# Altium PCB UHF Transceiver PCB.PcbDoc (part 2 of 5)
Units mil, origin at the board's own origin, x right, y up, seen from the top; angles counter-clockwise.
Board outline 3450 x 3675 mil, 4 copper layers (Component Side, GND, +3V3, Solder Side), stack 61.849 mil thick; 297 components, 243 nets, 1002 pads, 800 vias.
Unrouted connection lines stored in the file: 203.
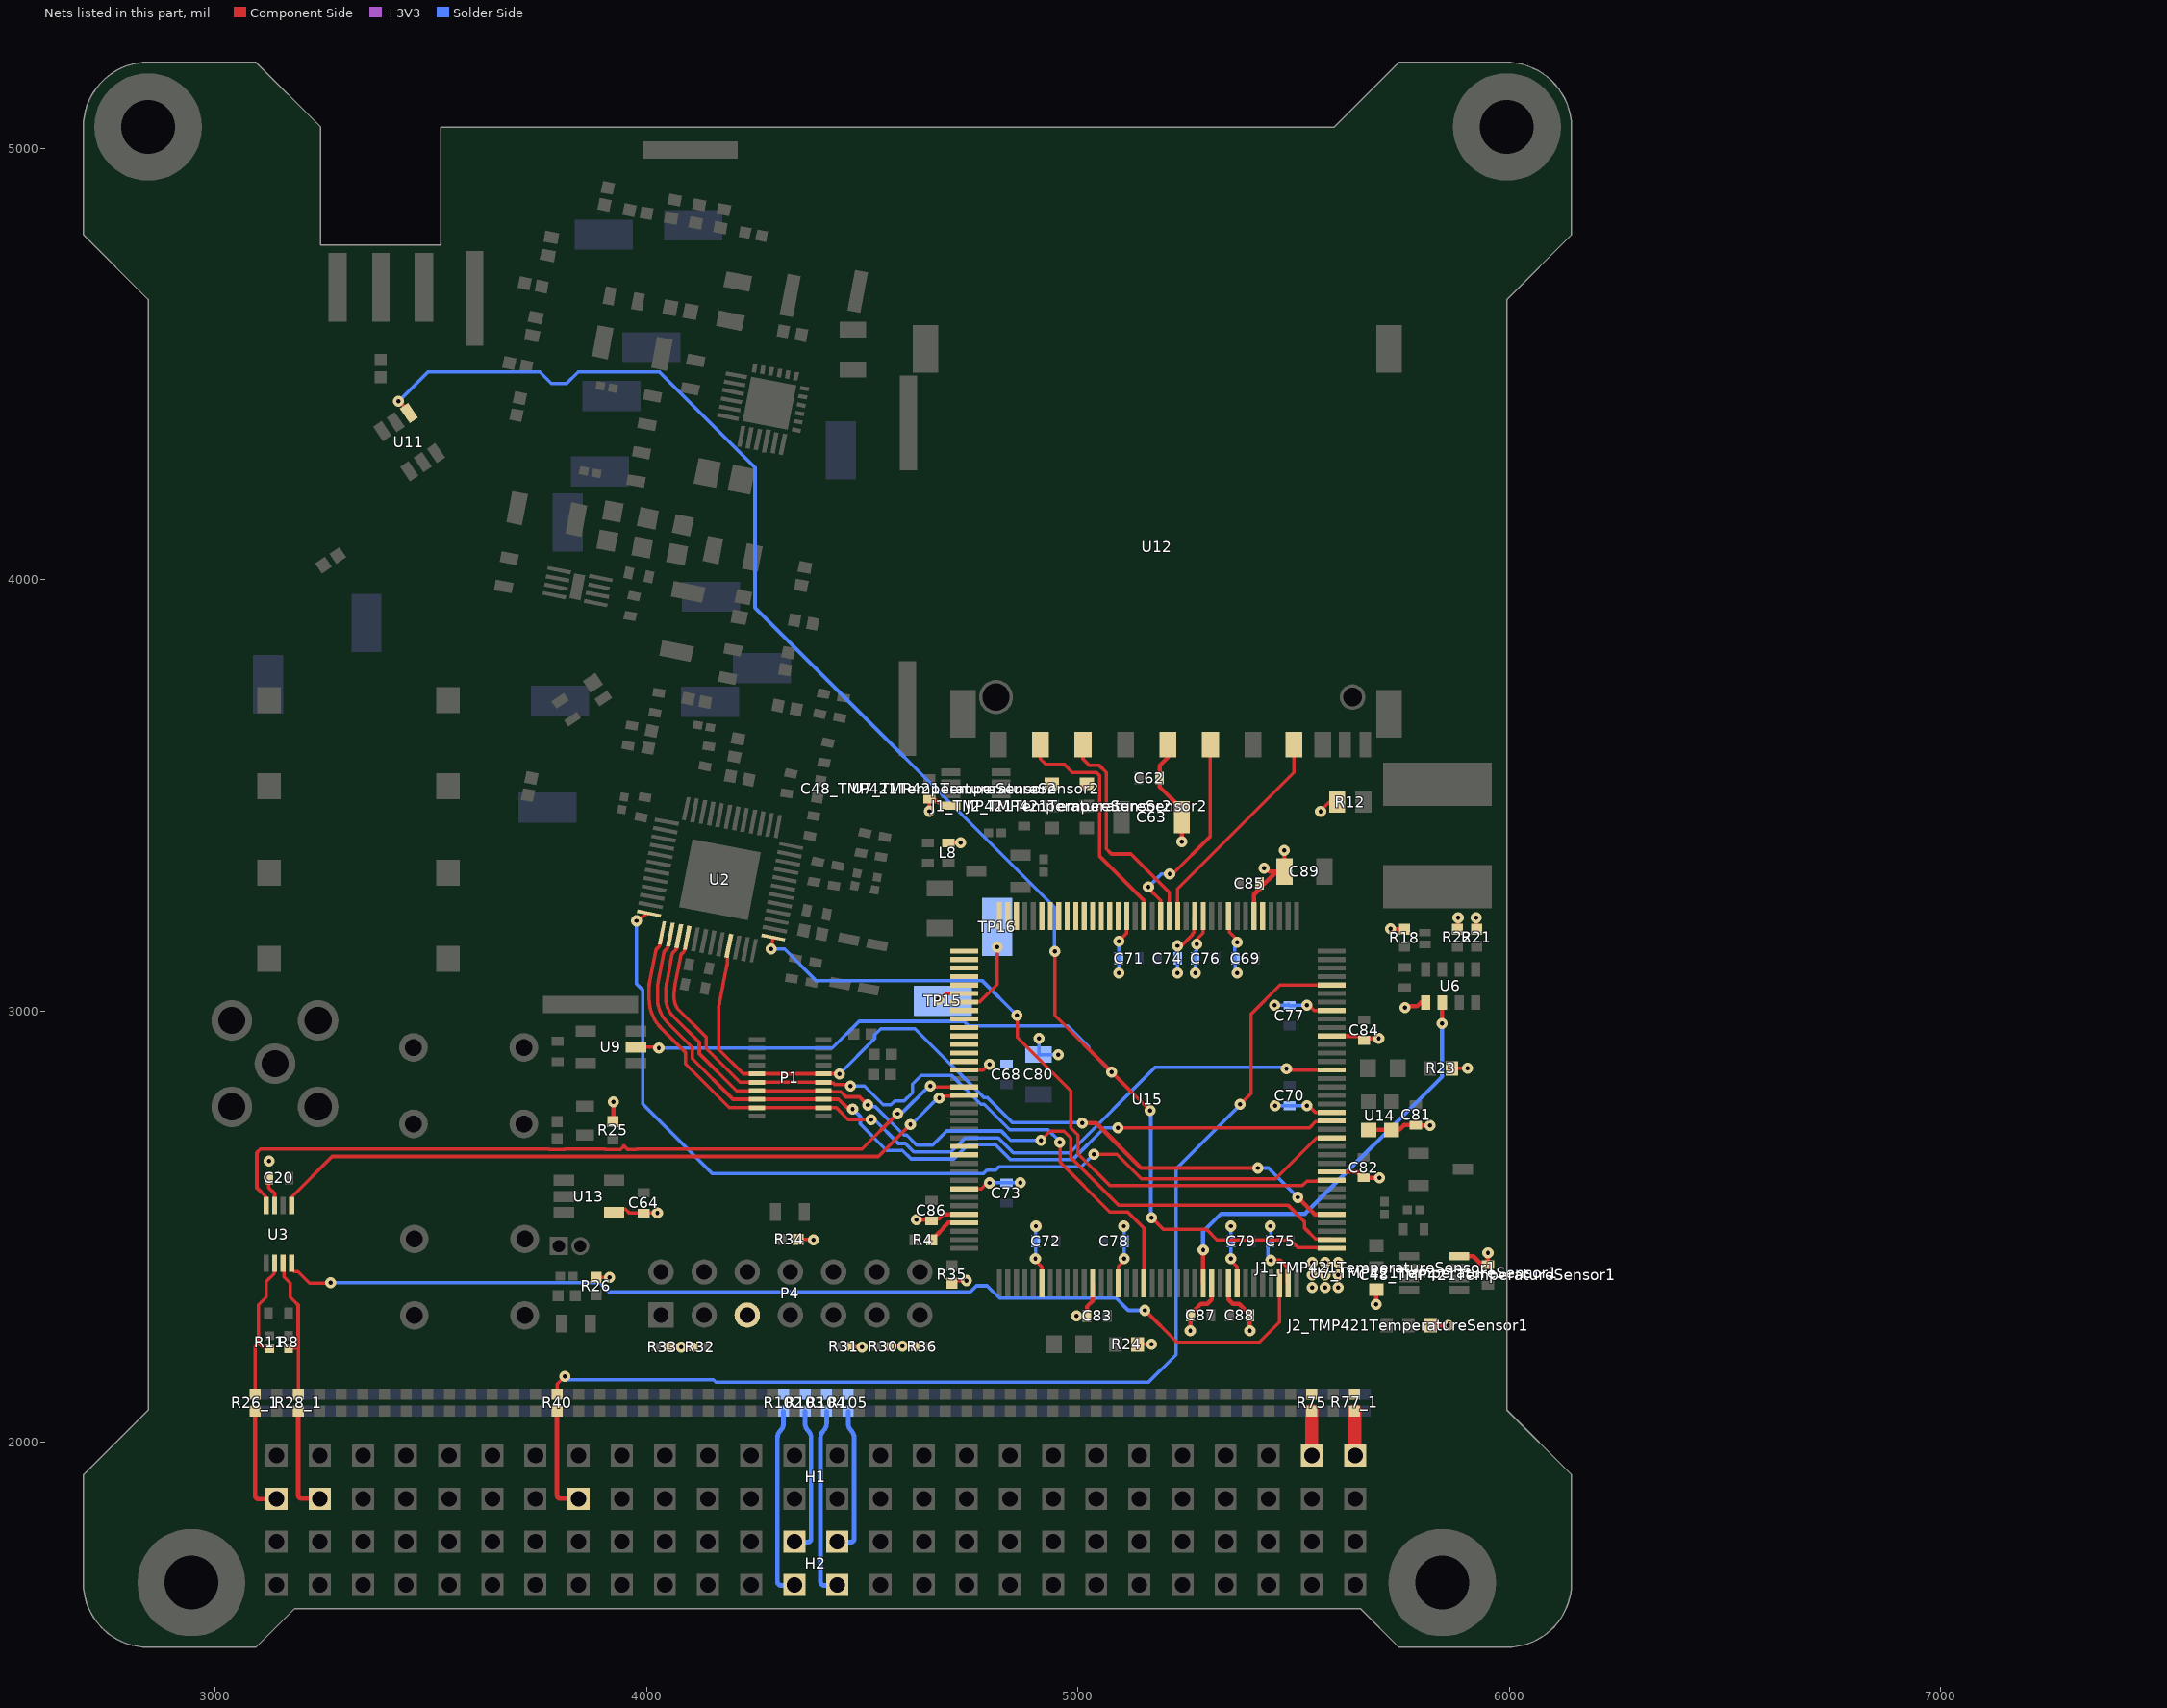
[diagram p4: the nets of this part, all layers, seen from the top]

## Part data (continued)
C65 C66 C67: library part PC-TDK-02601, "CAP CER 1UF 16V X5R 0603", Manufacturer Part Number=CGA3E1X5R1C105K080AC, Supplier Part Number 1=445-12457-1-ND, Temperature Coefficient=X5R, Tolerance=±10%, Voltage - Rated=16V, Applications=Automotive, Index=2601, LatestRevisionDate=2016-03-16, LatestRevisionNote=..., PackageDescription="Radial Cap, Thru-Hole; 2 Leads; 0.3 in Pin Spacing", PackageReference="0603 (1608 Metric)", Part Number=PC-TDK-02601, Published=2016-03-16, Publisher=AlbertaSat, Supplier 1=Digi-key, Supplier Link=http://www.digikey.ca/product-search/en?keywords=445-12457-1-ND
C68 C69 C70 C71 C72 C73 C74 C75 C76 C77 C78 C79 C82 C83 C84 C85 C86 C87 C88 C90: library part PC-TDK-02262, "CAP CER 0.1UF 50V X7R 0402", Manufacturer Part Number=CGA2B3X7R1H104M050BB, Supplier Part Number 1=445-12271-1-ND, Temperature Coefficient=X7R, Tolerance=±20%, Voltage - Rated=50V, Applications=Automotive, Index=2262, LatestRevisionDate=2016-03-16, LatestRevisionNote=..., PackageDescription="Radial Cap, Thru-Hole; 2 Leads; 0.3 in Pin Spacing", PackageReference="0402 (1005 Metric)", Part Number=PC-TDK-02262, Published=2016-03-16, Publisher=AlbertaSat, Supplier 1=Digi-key, Supplier Link=http://www.digikey.ca/product-search/en?keywords=445-12271-1-ND
C80 C89 C91: library part PC-TDK-02831, "CAP CER 4.7UF 25V X7R 0805", Manufacturer Part Number=CGA4J1X7R1E475M125AC, Supplier Part Number 1=445-12761-1-ND, Temperature Coefficient=X7R, Tolerance=±20%, Voltage - Rated=25V, Applications=Automotive, Index=2831, LatestRevisionDate=2016-03-16, LatestRevisionNote=..., PackageDescription="Radial Cap, Thru-Hole; 2 Leads; 0.3 in Pin Spacing", PackageReference="0805 (2012 Metric)", Part Number=PC-TDK-02831, Published=2016-03-16, Publisher=AlbertaSat, Supplier 1=Digi-key, Supplier Link=http://www.digikey.ca/product-search/en?keywords=445-12761-1-ND
D1: library part 29, "SUPER BARRIER RECTIFIER X2-DFN10", Manufacturer Part Number=SBRT05U20LPS-7B, Supplier Part Number 1=SBRT05U20LPS-7BDICT-ND, Voltage - Forward (Max)="390mV @ 500mA", Code_JEDEC=DO-214-AA, LatestRevisionDate=17-Jul-2002, LatestRevisionNote="Re-released for DXP Platform.", PackageDescription="DO-214-AA/SMB; 2 C-Bend Leads; Body 5.3 x 3.6 mm, inc. leads (LxW)", PackageReference="DFN 0402 (1006 Metric)", Part Number=29, Published=8-Jun-2000, Publisher="Altium Limited", Supplier 1=Digi-Key, Supplier 2=Mouser, Supplier Link=#https://www.digikey.ca/products/en?keywords=SBRT05U20LPS-7BDICT-ND#, Supplier Part Number 2=621-SBRT05U20LPS-7B
D2 D3: library part 5, "LED YELLOW CLEAR 0603 SMD", Manufacturer Part Number=150060YS75000, Supplier Part Number 1=732-4981-1-ND, Brightness=120mcd, LatestRevisionDate=08-Jul-2005, LatestRevisionNote="Mech Layer 1 removed.", PackageDescription="LED; 2 Leads", PackageReference=WL-150060XS75000, Part Number=5, Published=8-Jun-2000, Publisher="Altium Limited", Supplier 1=Digi-Key, Supplier Link=http://www.digikey.ca/product-search/en?keywords=732-4981-1-ND
Designator1 Designator2 Designator4 Designator5 Designator7: library part PP-HWN-00000
Designator3: library part PP-SAM-00003
H1 H2: library part PP-SAM-00002, Index=3, LatestRevisionDate=2018-06-07, LatestRevisionNote=..., Manufacturer Part Number=SSW-126-23-G-D, Part Number=PP-SAM-00002, Published=2018-06-07, Publisher=AlbertaSat, Supplier 1=Samtec, Supplier Link=#https://www.samtec.com/products/ssw-126-23-g-d#, Supplier Part Number 1=SSW-126-23-G-D
J1_TMP421TemperatureSensor1 J1_TMP421TemperatureSensor2 J2_TMP421TemperatureSensor1 J2_TMP421TemperatureSensor2: library part 19867, Part Number=19867, Supplier 1=Digi-Key
L1: library part PL-CCI-00008, "Fixed Inductors 0402CS AEC-Q200 13 nH 5 % 0.44 A", Supplier Part Number 1=994-0402CS-13NXJLU, Code_IEC=1005, Code_JEITA=0402, Index=8, LatestRevisionDate=2018-06-17, LatestRevisionNote=..., Manufacturer Part Number=0402CS-13NXJLU, PackageDescription="Chip Inductor, 2-Leads, Body 1.02x0.51mm, IPC Low Density", PackageReference="0402 (1005 Metric)", Part Number=PL-CCI-00008, Published=2018-06-17, Publisher=AlbertaSat, Supplier 1=Mouser, Supplier 2="Coilcraft Direct", Supplier Link=#https://www.mouser.ca/ProductDetail/Coilcraft/0402CS-13NXJLU?qs=sGAEpiMZZMsg%252by3WlYCkU2kWFds1hA9D8Sdb1F7tpJw=#, Supplier Part Number 2=0402CS-13NXJLU
L2: library part PL-CCI-00009, "Fixed Inductors 0402CS AEC-Q200 27 nH 5 % 0.4 A  / Fixed Inductors 0402CS AEC-Q200 27 nH 5 % 0.4 A", Supplier Part Number 1=994-0402CS-27NXJLU, Code_IEC=1005, Code_JEITA=0402, Index=9, LatestRevisionDate=2018-06-17, LatestRevisionNote=..., Manufacturer Part Number=0402CS-27NXJLU, PackageDescription="Chip Inductor, 2-Leads, Body 1.02x0.51mm, IPC Low Density", PackageReference="0402 (1005 Metric)", Part Number=PL-CCI-00009, Published=2018-06-17, Publisher=AlbertaSat, Supplier 1=Mouser, Supplier 2="Coilcraft Direct", Supplier Link=#https://www.mouser.ca/ProductDetail/Coilcraft/0402CS-27NXJLU?qs=sGAEpiMZZMsg%252by3WlYCkU2kWFds1hA9DQUyEMcwWJWI%3d#, Supplier Part Number 2=0402CS-27NXJLU
L3: library part PL-CCI-00006, "Fixed Inductors 1606 Micro Spring 12.55 nH 2 % 1.6 A", Inductance="12.55 nH", Manufacturer Part Number=1606-10GLB, Supplier Part Number 1=994-1606-10GLB, Code_IEC=1005, Code_JEITA=0402, Index=6, LatestRevisionDate=2018-06-17, LatestRevisionNote=..., PackageDescription="Fixed Inductors 0402CS AEC-Q200 8.2 nH 2 % 0.68 A", PackageReference=1606-10GLC, Part Number=PL-CCI-00006, Published=2018-06-17, Publisher=AlbertaSat, Supplier 1=Mouser, Supplier Link=#https://www.mouser.ca/ProductDetail/Coilcraft/1606-10GLB?qs=zCSbvcPd3pYulo8k3gupGQ%3d%3d#
L4: library part PL-CCI-00010, "Fixed Inductors 0402CS AEC-Q200 8.2 nH 2 % 0.68 AFixed Inductors 0402CS AEC-Q200 8.2 nH 2 % 0.68 A / Fixed Inductors 0402CS AEC-Q200 8.2 nH 2 % 0.68 AFixed Inductors 1606 Micro Spring 12.55 nH 2 % 1.6 A / Fixed Inductors 0402CS AEC-Q200 8.2 nH 2 % 0.68 A", Supplier Part Number 1=994-0402CS-8N2XGLW, Code_IEC=1005, Code_JEITA=0402, Index=10, LatestRevisionDate=2018-06-17, LatestRevisionNote=..., Manufacturer Part Number=0402CS-8N2XGLW, PackageDescription="Chip Inductor, 2-Leads, Body 1.02x0.51mm, IPC Low Density", PackageReference="0402 (1005 Metric)", Part Number=PL-CCI-00010, Published=2018-06-17, Publisher=AlbertaSat, Supplier 1=Mouser, Supplier 2="Coilcraft Direct", Supplier Link=#https://www.mouser.ca/ProductDetail/Coilcraft/0402CS-8N2XGLW?qs=sGAEpiMZZMsg%252by3WlYCkU2kWFds1hA9D5FCqTFjMuAs%3d#, Supplier Part Number 2="0402CS-8N2XGLW / 0402CS-8N2XGLW"
L5: library part PL-TDK-02957, "FIXD IND 100NH 180MA 510MOHM SMD", Current - Rated=180mA, Supplier Part Number 1=445-180212-1-ND, Tolerance=±5%, Code_IEC=1005, Code_JEITA=0402, Index=2957, LatestRevisionDate=2018-12-12, LatestRevisionNote=..., Manufacturer Part Number=MLF1005VR10JTD25, PackageDescription="Chip Inductor, 2-Leads, Body 1.00x0.50mm, IPC Low Density", PackageReference="0402 (1005 Metric)", Part Number=PL-TDK-02957, Published=2018-12-12, Publisher=AlbertaSat, Supplier 1=Digi-key, Supplier 2=Mouser, Supplier Link=#https://www.digikey.ca/product-detail/en/tdk-corporation/MLF1005VR10JTD25/445-180212-1-ND/8638399#, Supplier Part Number 2=810-MLF1005VR10JTD25
L6: library part 10160, "FIXED IND 12NH 1.24A 93 MOHM", DC Resistance="93 mOhm Max", Supplier Part Number 1=490-15335-1-ND, Tolerance=±2%, Code_IEC=1005, Code_JEITA=0402, LatestRevisionDate=29-May-2009, LatestRevisionNote="IPC-7351 Footprint Added.", Manufacturer Part Number=LQW15AN12NG8ZD, PackageDescription="Chip Inductor, 2-Leads, Body 1.00x0.60mm, IPC Low Density", PackageReference="0402 (1005 Metric)", Part Number=10160, Published=8-Jun-2000, Publisher="Altium Limited", Supplier 1=Digi-Key, Supplier Link=#https://www.digikey.ca/product-detail/en/murata-electronics-north-america/LQW15AN12NG8ZD/490-15335-1-ND/6800000#
L7: library part 10161, "FIXED IND 16NH 1A 126 MOHM", DC Resistance="126 mOhm Max", Supplier Part Number 1=490-15343-1-ND, Tolerance=±2%, Code_IEC=1005, Code_JEITA=0402, LatestRevisionDate=29-May-2009, LatestRevisionNote="IPC-7351 Footprint Added.", Manufacturer Part Number=LQW15AN16NG8ZD, PackageDescription="Chip Inductor, 2-Leads, Body 1.00x0.60mm, IPC Low Density", PackageReference="0402 (1005 Metric)", Part Number=10161, Published=8-Jun-2000, Publisher="Altium Limited", Supplier 1=Digi-Key, Supplier Link=#https://www.digikey.ca/product-detail/en/murata-electronics-north-america/LQW15AN16NG8ZD/490-15343-1-ND/6800008#
L8: library part PL-TDK-02958, "1005", Current - Rated=250mA, Manufacturer Part Number=MMZ1005D221ETD25, Supplier Part Number 1=445-172789-1-ND, Applications=Automotive, Code_IEC=1005, Code_JEITA=0402, Index=2958, LatestRevisionDate=2018-07-17, LatestRevisionNote=..., PackageDescription="Chip Inductor, 2-Leads, Body 1.00x0.50mm, IPC Low Density", PackageReference="0402 (1005 Metric)", Part Number=PL-TDK-02958, Published=2018-07-17, Publisher=AlbertaSat, Supplier 1=Digi-key, Supplier 2=Mouser, Supplier Link=0402, Supplier Part Number 2=810-MMZ1005D221ETD25
P1: library part 50, "CONN PLUG 20POS 1.5MM SMD .5MM", Manufacturer Part Number=0555600207, Supplier Part Number 1=WM9217CT-ND, LatestRevisionDate=17-Jul-2002, LatestRevisionNote="Re-released for DXP Platform.", PackageReference=MOLX-0555600207, Part Number=50, Publisher="Altium Limited", Supplier 1=Digi-Key, Supplier Link=#https://www.digikey.ca/product-detail/en/molex-llc/0555600207/WM9217CT-ND/1025137#
P2: library part PP-AMP-00002, "CONN SMB JACK STR 50OHM EDGE MNT", Supplier Part Number 1=ARF1721-ND, Index=2, LatestRevisionDate=2018-12-20, LatestRevisionNote=..., Manufacturer Part Number=903-518J-51P, PackageDescription="CONN SMB JACK STR 50OHM EDGE MNT", PackageReference="CONN SMB JACK STR 50OHM EDGE MNT", Part Number=PP-AMP-00002, Published=2018-12-20, Publisher=AlbertaSat, Supplier 1=Digi-key, Supplier 2=Mouser, Supplier Link=#https://www.digikey.ca/product-detail/en/amphenol-rf-division/903-518J-51P/ARF1721-ND/2041847#, Supplier Part Number 2=523-903-518J-51P
P3: library part PP-SLN-00001, "CONN HEADER .050\"\" 3POS PCB GOLD", Manufacturer Part Number=GRPB021VWVN-RC, Supplier Part Number 1=S9014E-02-ND, Index=1, LatestRevisionDate=2016-03-15, LatestRevisionNote=..., Number of Positions=2, Number of Rows=1, PackageDescription="CONN HEADER .050\"\" 3POS PCB GOLD", PackageReference=SLN-GRPB021, Part Number=PP-SLN-00001, Pitch="0.050\" (1.27mm)", Published=2016-03-15, Publisher=AlbertaSat, Supplier 1=Digi-key, Supplier Link=http://www.digikey.ca/product-search/en?keywords=S9014E-02-ND
P4: library part PP-SLN-00068, "CONN HEADER .100\"\" DUAL STR 14POS", Manufacturer Part Number=PRPC007DAAN-RC, Supplier Part Number 1=S2011EC-07-ND, Index=68, LatestRevisionDate=2017-03-17, LatestRevisionNote=..., Mating Length="0.230\" (5.84mm)", Mounting Type="Through Hole", Number of Positions=14, Number of Rows=2, PackageDescription="CONN HEADER .100\"\" DUAL STR 14POS", PackageReference=SLN-PRPC007DAA, Part Number=PP-SLN-00068, Pitch="0.100\" (2.54mm)", Post Length="0.120\" (3.05mm)", Published=2017-03-17, Publisher=AlbertaSat, Supplier 1=Digi-key, Supplier Link=http://www.digikey.ca/product-search/en?keywords=S2011EC-07-ND
Q1_TMP421TemperatureSensor1 Q1_TMP421TemperatureSensor2: library part PU-ONS-00001, "TRANS NPN 40V 0.2A SOT23", Manufacturer Part Number=SMMBT3904LT1G, Supplier Part Number 1=SMMBT3904LT1GOSCT-ND, Index=1, LatestRevisionDate=2018-08-18, LatestRevisionNote=..., PackageDescription="SOT23, 3-Leads, Body 2.92x2.37mm, Pitch 0.95mm, IPC Low Density", PackageReference="SOT-23-3 (TO-236)", Part Number=PU-ONS-00001, Published=2018-08-18, Publisher=AlbertaSat, Supplier 1=Digi-key, Supplier 2=Mouser, Supplier Link=#https://www.digikey.ca/product-detail/en/on-semiconductor/SMMBT3904LT1G/SMMBT3904LT1GOSCT-ND/4331837#, Supplier Part Number 2=863-SMMBT3904LT1G
R1: library part 15042, "RES SMD 560 OHM 0.1% 1/16W 0402", Manufacturer Part Number=ERA-2ARB561X, Power="0.063W, 1/16W", Supplier Part Number 1=P560CPCT-ND, Temperature Coefficient=±10ppm/°C, Tolerance=±0.1%, LatestRevisionDate=29-May-2009, LatestRevisionNote="IPC-7351 Footprint Added.", PackageDescription="Chip Resistor, 2-Leads, Body 1.00x0.50mm, IPC Low Density", PackageReference="0402 (1005 Metric)", Part Number=15042, Published=8-Jun-2000, Publisher="Altium Limited", Supplier 1=Digi-Key, Supplier Link=http://www.digikey.ca/product-search/en?keywords=P560CPCT-ND
R2: library part 14593, "RES SMD 270 OHM 0.1% 1/16W 0402", Manufacturer Part Number=ERA-2ARB271X, Power="0.063W, 1/16W", Supplier Part Number 1=P270CPCT-ND, Temperature Coefficient=±10ppm/°C, Tolerance=±0.1%, LatestRevisionDate=29-May-2009, LatestRevisionNote="IPC-7351 Footprint Added.", PackageDescription="Chip Resistor, 2-Leads, Body 1.00x0.50mm, IPC Low Density", PackageReference="0402 (1005 Metric)", Part Number=14593, Published=8-Jun-2000, Publisher="Altium Limited", Supplier 1=Digi-Key, Supplier Link=http://www.digikey.ca/product-search/en?keywords=P270CPCT-ND
R3: library part PR-VSH-00269, "RES SMD 3.9 OHM 1% 1/16W 0402", Manufacturer Part Number=CRCW04023R90FKED, Power - Rated=0.063W, Supplier Part Number 1=541-3.90LLCT-ND, Temperature Coefficient=±100ppm/°C, Tolerance=±1%, Applications=Automotive, Index=269, LatestRevisionDate=2018-12-11, LatestRevisionNote=..., PackageDescription="Chip Resistor, 2-Leads, Body 1.00x0.50mm, IPC Low Density", PackageReference="0402 (1005 Metric)", Part Number=PR-VSH-00269, Published=2018-12-11, Publisher=AlbertaSat, Supplier 1=Digi-key, Supplier 2=Mouser, Supplier Link=#https://www.digikey.ca/product-detail/en/vishay-dale/CRCW04023R90FKED/541-3.90LLCT-ND/1961949#, Supplier Part Number 2=71-CRCW04023R90FKED
R4 R25 R26: library part 18739, "RES SMD 100K OHM 1% 1/10W 0402", Manufacturer Part Number=ERJ-2RKF1003X, Power="0.1W, 1/10W", Supplier Part Number 1=P100KLCT-ND, Temperature Coefficient=±100ppm/°C, Tolerance=±1%, LatestRevisionDate=29-May-2009, LatestRevisionNote="IPC-7351 Footprint Added.", PackageDescription="Chip Resistor, 2-Leads, Body 1.00x0.50mm, IPC Low Density", PackageReference="0402 (1005 Metric)", Part Number=18739, Published=8-Jun-2000, Publisher="Altium Limited", Supplier 1=Digi-Key, Supplier Link=http://www.digikey.ca/product-search/en?keywords=P100KLCT-ND
R5 R6 R7 R17 R26_1 R27_1 R28_1 R29_1 R30_1 R31_1 R32_1 R33_1 R34_1 R35_1 R36_1 R37 R38 R39 R40 R41 R42 R43 R44 R45 R46 R47 R48 R49 R50 R51 R52 R53 R54 R55 R56 R57 R58 R59 R60 R61 R62 R63 R64 R65 R66 R67 R68 R69 R70 R71 R72 R73 R74 R75 R76 R77_1 R78 R79 R80 R81 R82 R83 R84 R85 R86 R87 R88 R89 R90 R91 R92 R93 R94 R95 R96 R97 R98 R99 R100 R101 R102 R103 R104 R105 R106 R107 R108 R109 R110 R111 R112 R113 R114 R115 R116 R117 R118 R119 R120 R121 R122 R123 R124 R125 R126 R127 R128 R129_1: library part 13127, "RES SMD 0.0OHM JUMPER 1/10W 0402", Manufacturer Part Number=ERJ-2GE0R00X, Power="0.1W, 1/10W", Supplier Part Number 1=P0.0JCT-ND, Temperature Coefficient=-, PackageDescription="Chip Resistor, 2-Leads, Body 1.00x0.50mm, IPC Low Density", PackageReference="0402 (1005 Metric)", Part Number=13127, Supplier 1=Digi-Key, Supplier Link=http://www.digikey.ca/product-search/en?keywords=P0.0JCT-ND, Tolerance=Jumper, Type=Jumper
R8 R11: library part 13829, "RES SMD 60.4 OHM 0.1% 1/16W 0402", Manufacturer Part Number=ERA-2AEB60R4X, Power="0.063W, 1/16W", Supplier Part Number 1=P60.4DCCT-ND, Temperature Coefficient=±25ppm/°C, Tolerance=±0.1%, LatestRevisionDate=29-May-2009, LatestRevisionNote="IPC-7351 Footprint Added.", PackageDescription="Chip Resistor, 2-Leads, Body 1.00x0.50mm, IPC Low Density", PackageReference="0402 (1005 Metric)", Part Number=13829, Published=8-Jun-2000, Publisher="Altium Limited", Supplier 1=Digi-Key, Supplier Link=http://www.digikey.ca/product-search/en?keywords=P60.4DCCT-ND
R9: library part 15460, "RES SMD 1.1K OHM 0.1% 1/16W 0402", Manufacturer Part Number=ERA-2ARB112X, Power="0.063W, 1/16W", Supplier Part Number 1=P1.1KCPCT-ND, Temperature Coefficient=±10ppm/°C, Tolerance=±0.1%, LatestRevisionDate=29-May-2009, LatestRevisionNote="IPC-7351 Footprint Added.", PackageDescription="Chip Resistor, 2-Leads, Body 1.00x0.50mm, IPC Low Density", PackageReference="0402 (1005 Metric)", Part Number=15460, Published=8-Jun-2000, Publisher="Altium Limited", Supplier 1=Digi-Key, Supplier Link=http://www.digikey.ca/product-search/en?keywords=P1.1KCPCT-ND
R10: library part 16432, "RES SMD 3.6K OHM 0.1% 1/16W 0402", Manufacturer Part Number=ERA-2ARB362X, Power="0.063W, 1/16W", Supplier Part Number 1=P3.6KCPCT-ND, Temperature Coefficient=±10ppm/°C, Tolerance=±0.1%, LatestRevisionDate=29-May-2009, LatestRevisionNote="IPC-7351 Footprint Added.", PackageDescription="Chip Resistor, 2-Leads, Body 1.00x0.50mm, IPC Low Density", PackageReference="0402 (1005 Metric)", Part Number=16432, Published=8-Jun-2000, Publisher="Altium Limited", Supplier 1=Digi-Key, Supplier Link=http://www.digikey.ca/product-search/en?keywords=P3.6KCPCT-ND
R12: library part 19707, "RES SMD 1M OHM 1% 1/8W 0805", Manufacturer Part Number=ERJ-6ENF1004V, Power="0.125W, 1/8W", Supplier Part Number 1=P1.00MCCT-ND, Temperature Coefficient=±100ppm/°C, Tolerance=±1%, LatestRevisionDate=29-May-2009, LatestRevisionNote="IPC-7351 Footprint Added.", PackageDescription="Chip Resistor, 2-Leads, Body 2.00x1.25mm, IPC Low Density", PackageReference="0805 (2012 Metric)", Part Number=19707, Published=8-Jun-2000, Publisher="Altium Limited", Supplier 1=Digi-Key, Supplier Link=http://www.digikey.ca/product-search/en?keywords=P1.00MCCT-ND
R13 R14: library part 14828, "RES SMD 390 OHM 0.1% 1/16W 0402", Manufacturer Part Number=ERA-2ARB391X, Power="0.063W, 1/16W", Supplier Part Number 1=P390CPCT-ND, Temperature Coefficient=±10ppm/°C, Tolerance=±0.1%, LatestRevisionDate=29-May-2009, LatestRevisionNote="IPC-7351 Footprint Added.", PackageDescription="Chip Resistor, 2-Leads, Body 1.00x0.50mm, IPC Low Density", PackageReference="0402 (1005 Metric)", Part Number=14828, Published=8-Jun-2000, Publisher="Altium Limited", Supplier 1=Digi-Key, Supplier Link=http://www.digikey.ca/product-search/en?keywords=P390CPCT-ND
R15 R16: library part 14464, "RES SMD 220 OHM 0.1% 1/10W 0603", Manufacturer Part Number=ERA-3AEB221V, Power="0.1W, 1/10W", Supplier Part Number 1=P220DBCT-ND, Temperature Coefficient=±25ppm/°C, Tolerance=±0.1%, LatestRevisionDate=29-May-2009, LatestRevisionNote="IPC-7351 Footprint Added.", PackageDescription="Chip Resistor, 2-Leads, Body 1.60x0.80mm, IPC Low Density", PackageReference="0603 (1608 Metric)", Part Number=14464, Published=8-Jun-2000, Publisher="Altium Limited", Supplier 1=Digi-Key, Supplier Link=http://www.digikey.ca/product-search/en?keywords=P220DBCT-ND
R18: library part 13732, "RES SMD 49.9 OHM 1% 1/10W 0402", Manufacturer Part Number=ERJ-2RKF49R9X, Power="0.1W, 1/10W", Supplier Part Number 1=P49.9LCT-ND, Temperature Coefficient=±100ppm/°C, Tolerance=±1%, LatestRevisionDate=29-May-2009, LatestRevisionNote="IPC-7351 Footprint Added.", PackageDescription="Chip Resistor, 2-Leads, Body 1.00x0.50mm, IPC Low Density", PackageReference="0402 (1005 Metric)", Part Number=13732, Published=8-Jun-2000, Publisher="Altium Limited", Supplier 1=Digi-Key, Supplier Link=http://www.digikey.ca/product-search/en?keywords=P49.9LCT-ND
R19_TMP421TemperatureSensor1 R19_TMP421TemperatureSensor2 R20_TMP421TemperatureSensor1 R20_TMP421TemperatureSensor2: library part 13731, "RES SMD 49.9 OHM 0.1% 1/16W 0402", Manufacturer Part Number=ERA-2AEB49R9X, Power="0.063W, 1/16W", Supplier Part Number 1=P49.9DCCT-ND, Temperature Coefficient=±25ppm/°C, Tolerance=±0.1%, LatestRevisionDate=29-May-2009, LatestRevisionNote="IPC-7351 Footprint Added.", PackageDescription="Chip Resistor, 2-Leads, Body 1.00x0.50mm, IPC Low Density", PackageReference="0402 (1005 Metric)", Part Number=13731, Published=8-Jun-2000, Publisher="Altium Limited", Supplier 1=Digi-Key, Supplier Link=http://www.digikey.ca/product-search/en?keywords=P49.9DCCT-ND
R21 R22: library part 16657, "RES SMD 4.7K OHM 1% 1/10W 0402", Manufacturer Part Number=ERJ-2RKF4701X, Power="0.1W, 1/10W", Supplier Part Number 1=P4.70KLCT-ND, Temperature Coefficient=±100ppm/°C, Tolerance=±1%, LatestRevisionDate=29-May-2009, LatestRevisionNote="IPC-7351 Footprint Added.", PackageDescription="Chip Resistor, 2-Leads, Body 1.00x0.50mm, IPC Low Density", PackageReference="0402 (1005 Metric)", Part Number=16657, Published=8-Jun-2000, Publisher="Altium Limited", Supplier 1=Digi-Key, Supplier Link=http://www.digikey.ca/product-search/en?keywords=P4.70KLCT-ND
R23 R24: library part 15398, "RES SMD 1K OHM 1% 1/10W 0603", Manufacturer Part Number=ERJ-3EKF1001V, Power="0.1W, 1/10W", Supplier Part Number 1=P1.00KHCT-ND, Temperature Coefficient=±100ppm/°C, Tolerance=±1%, LatestRevisionDate=29-May-2009, LatestRevisionNote="IPC-7351 Footprint Added.", PackageDescription="Chip Resistor, 2-Leads, Body 1.60x0.80mm, IPC Low Density", PackageReference="0603 (1608 Metric)", Part Number=15398, Published=8-Jun-2000, Publisher="Altium Limited", Supplier 1=Digi-Key, Supplier Link=http://www.digikey.ca/product-search/en?keywords=P1.00KHCT-ND
R27 R28 R34 R35: library part 14081, "RES SMD 100 OHM 1% 1/10W 0402", Manufacturer Part Number=ERJ-2RKF1000X, Power="0.1W, 1/10W", Supplier Part Number 1=P100LCT-ND, Temperature Coefficient=±100ppm/°C, Tolerance=±1%, LatestRevisionDate=29-May-2009, LatestRevisionNote="IPC-7351 Footprint Added.", PackageDescription="Chip Resistor, 2-Leads, Body 1.00x0.50mm, IPC Low Density", PackageReference="0402 (1005 Metric)", Part Number=14081, Published=8-Jun-2000, Publisher="Altium Limited", Supplier 1=Digi-Key, Supplier Link=http://www.digikey.ca/product-search/en?keywords=P100LCT-ND
R29 R30 R31 R32 R33: library part 19768, PackageDescription="Chip Resistor, 2-Leads, Body 1.00x0.50mm, IPC Low Density", PackageReference="0402 (1005 Metric)", Part Number=19768
R36: library part 17196, "RES SMD 10K OHM 0.25% 1/16W 0402", Manufacturer Part Number=ERA-2ARC103X, Power="0.063W, 1/16W", Supplier Part Number 1=P10KCQCT-ND, Temperature Coefficient=±10ppm/°C, Tolerance=±0.25%, LatestRevisionDate=29-May-2009, LatestRevisionNote="IPC-7351 Footprint Added.", PackageDescription="Chip Resistor, 2-Leads, Body 1.00x0.50mm, IPC Low Density", PackageReference="0402 (1005 Metric)", Part Number=17196, Published=8-Jun-2000, Publisher="Altium Limited", Supplier 1=Digi-Key, Supplier Link=http://www.digikey.ca/product-search/en?keywords=P10KCQCT-ND